# Altium PCB Archimajor.PcbDoc (part 1 of 12) (continued)
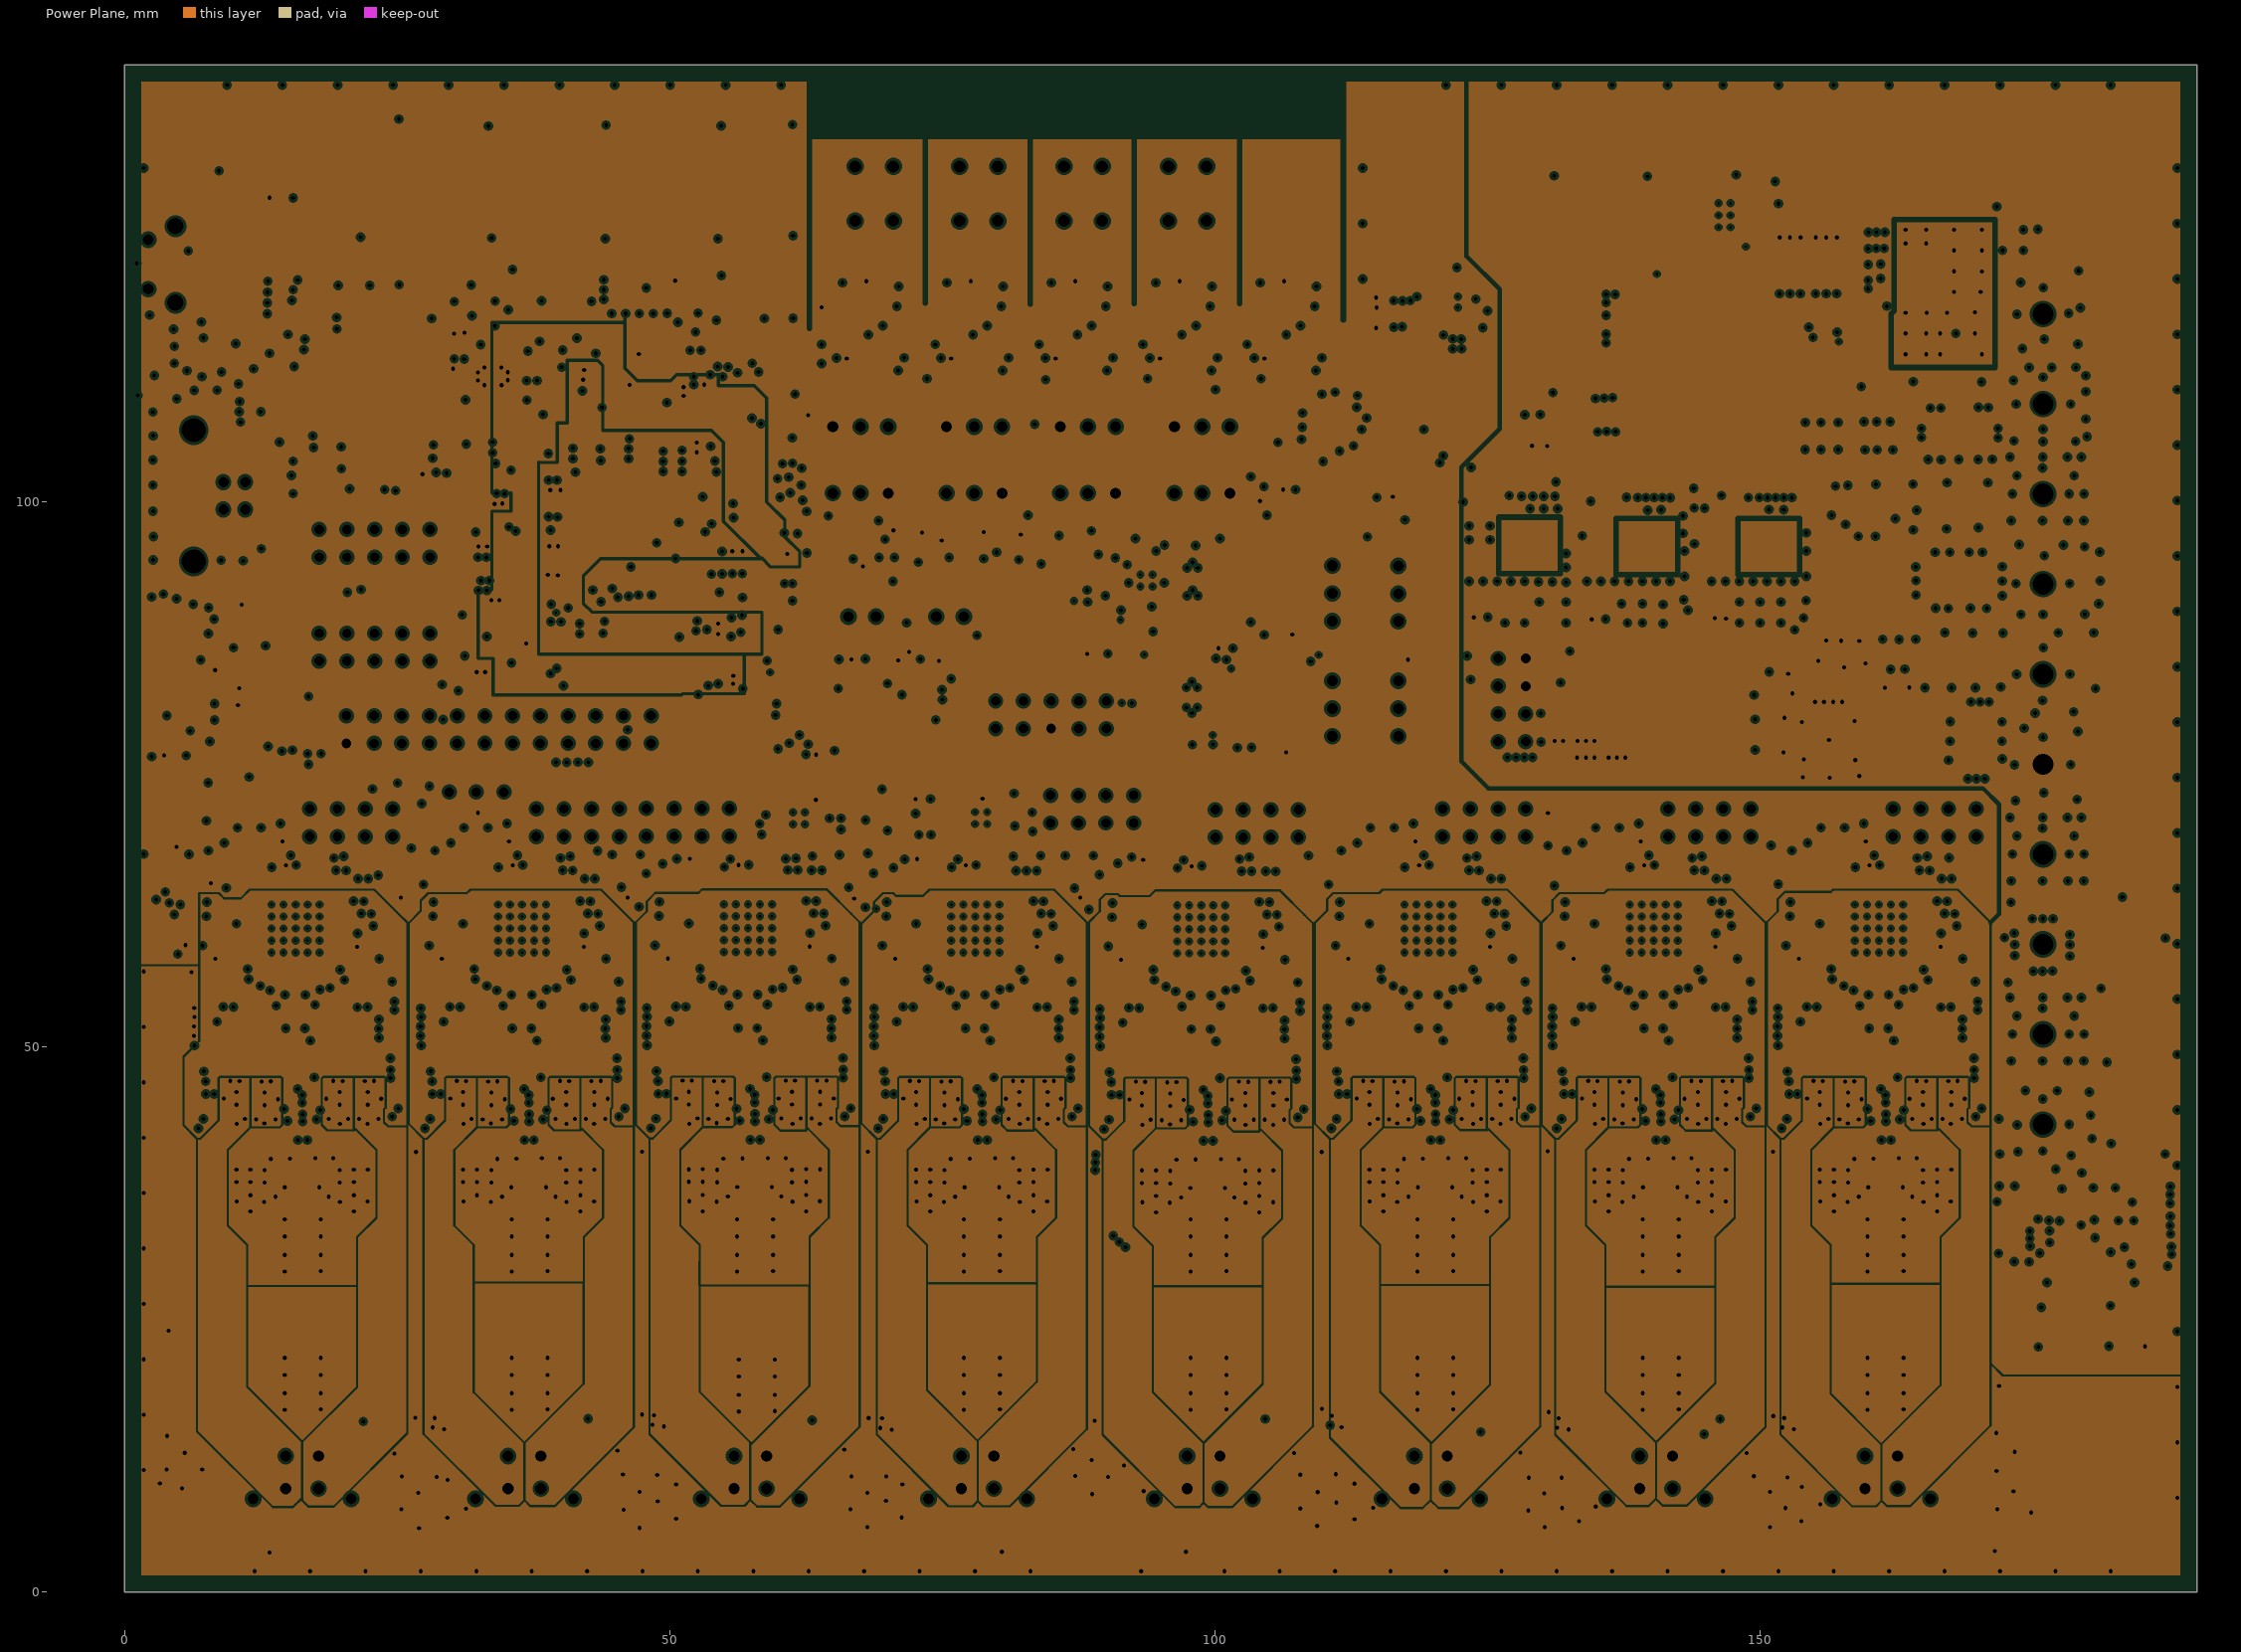
[diagram p3: Power Plane, clearances drawn from the general rule]
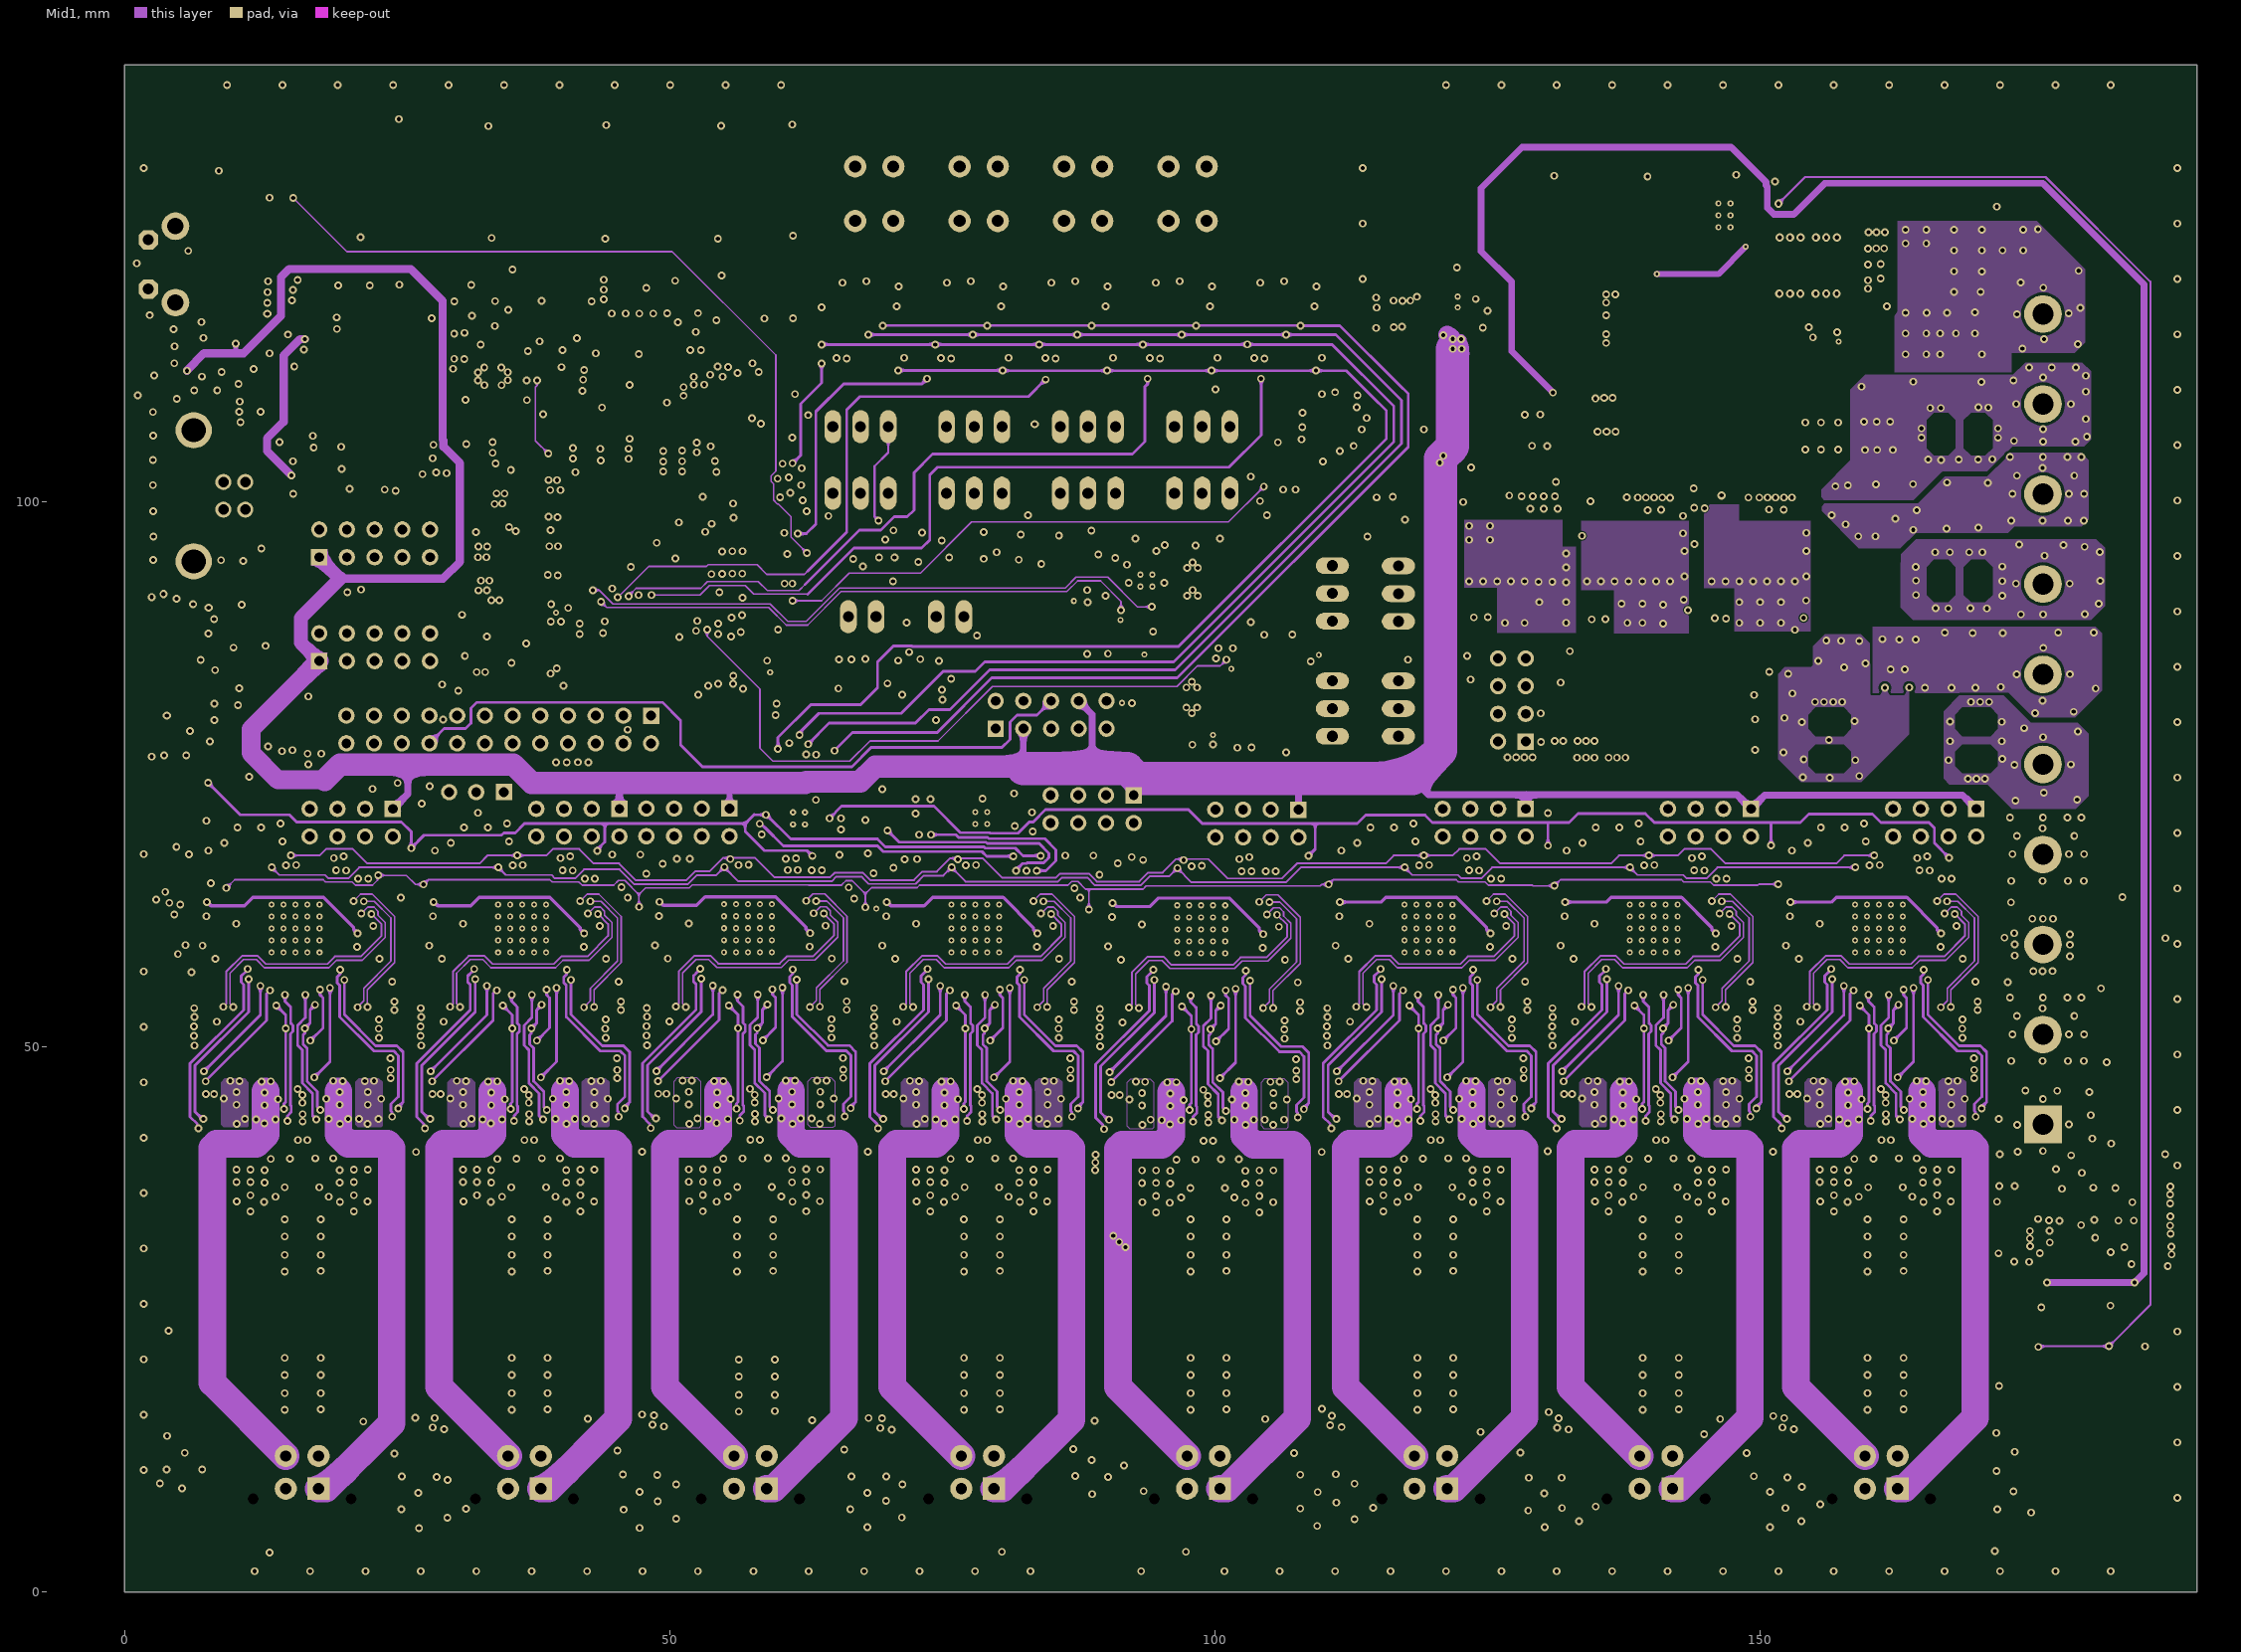
[diagram p4: Mid1]
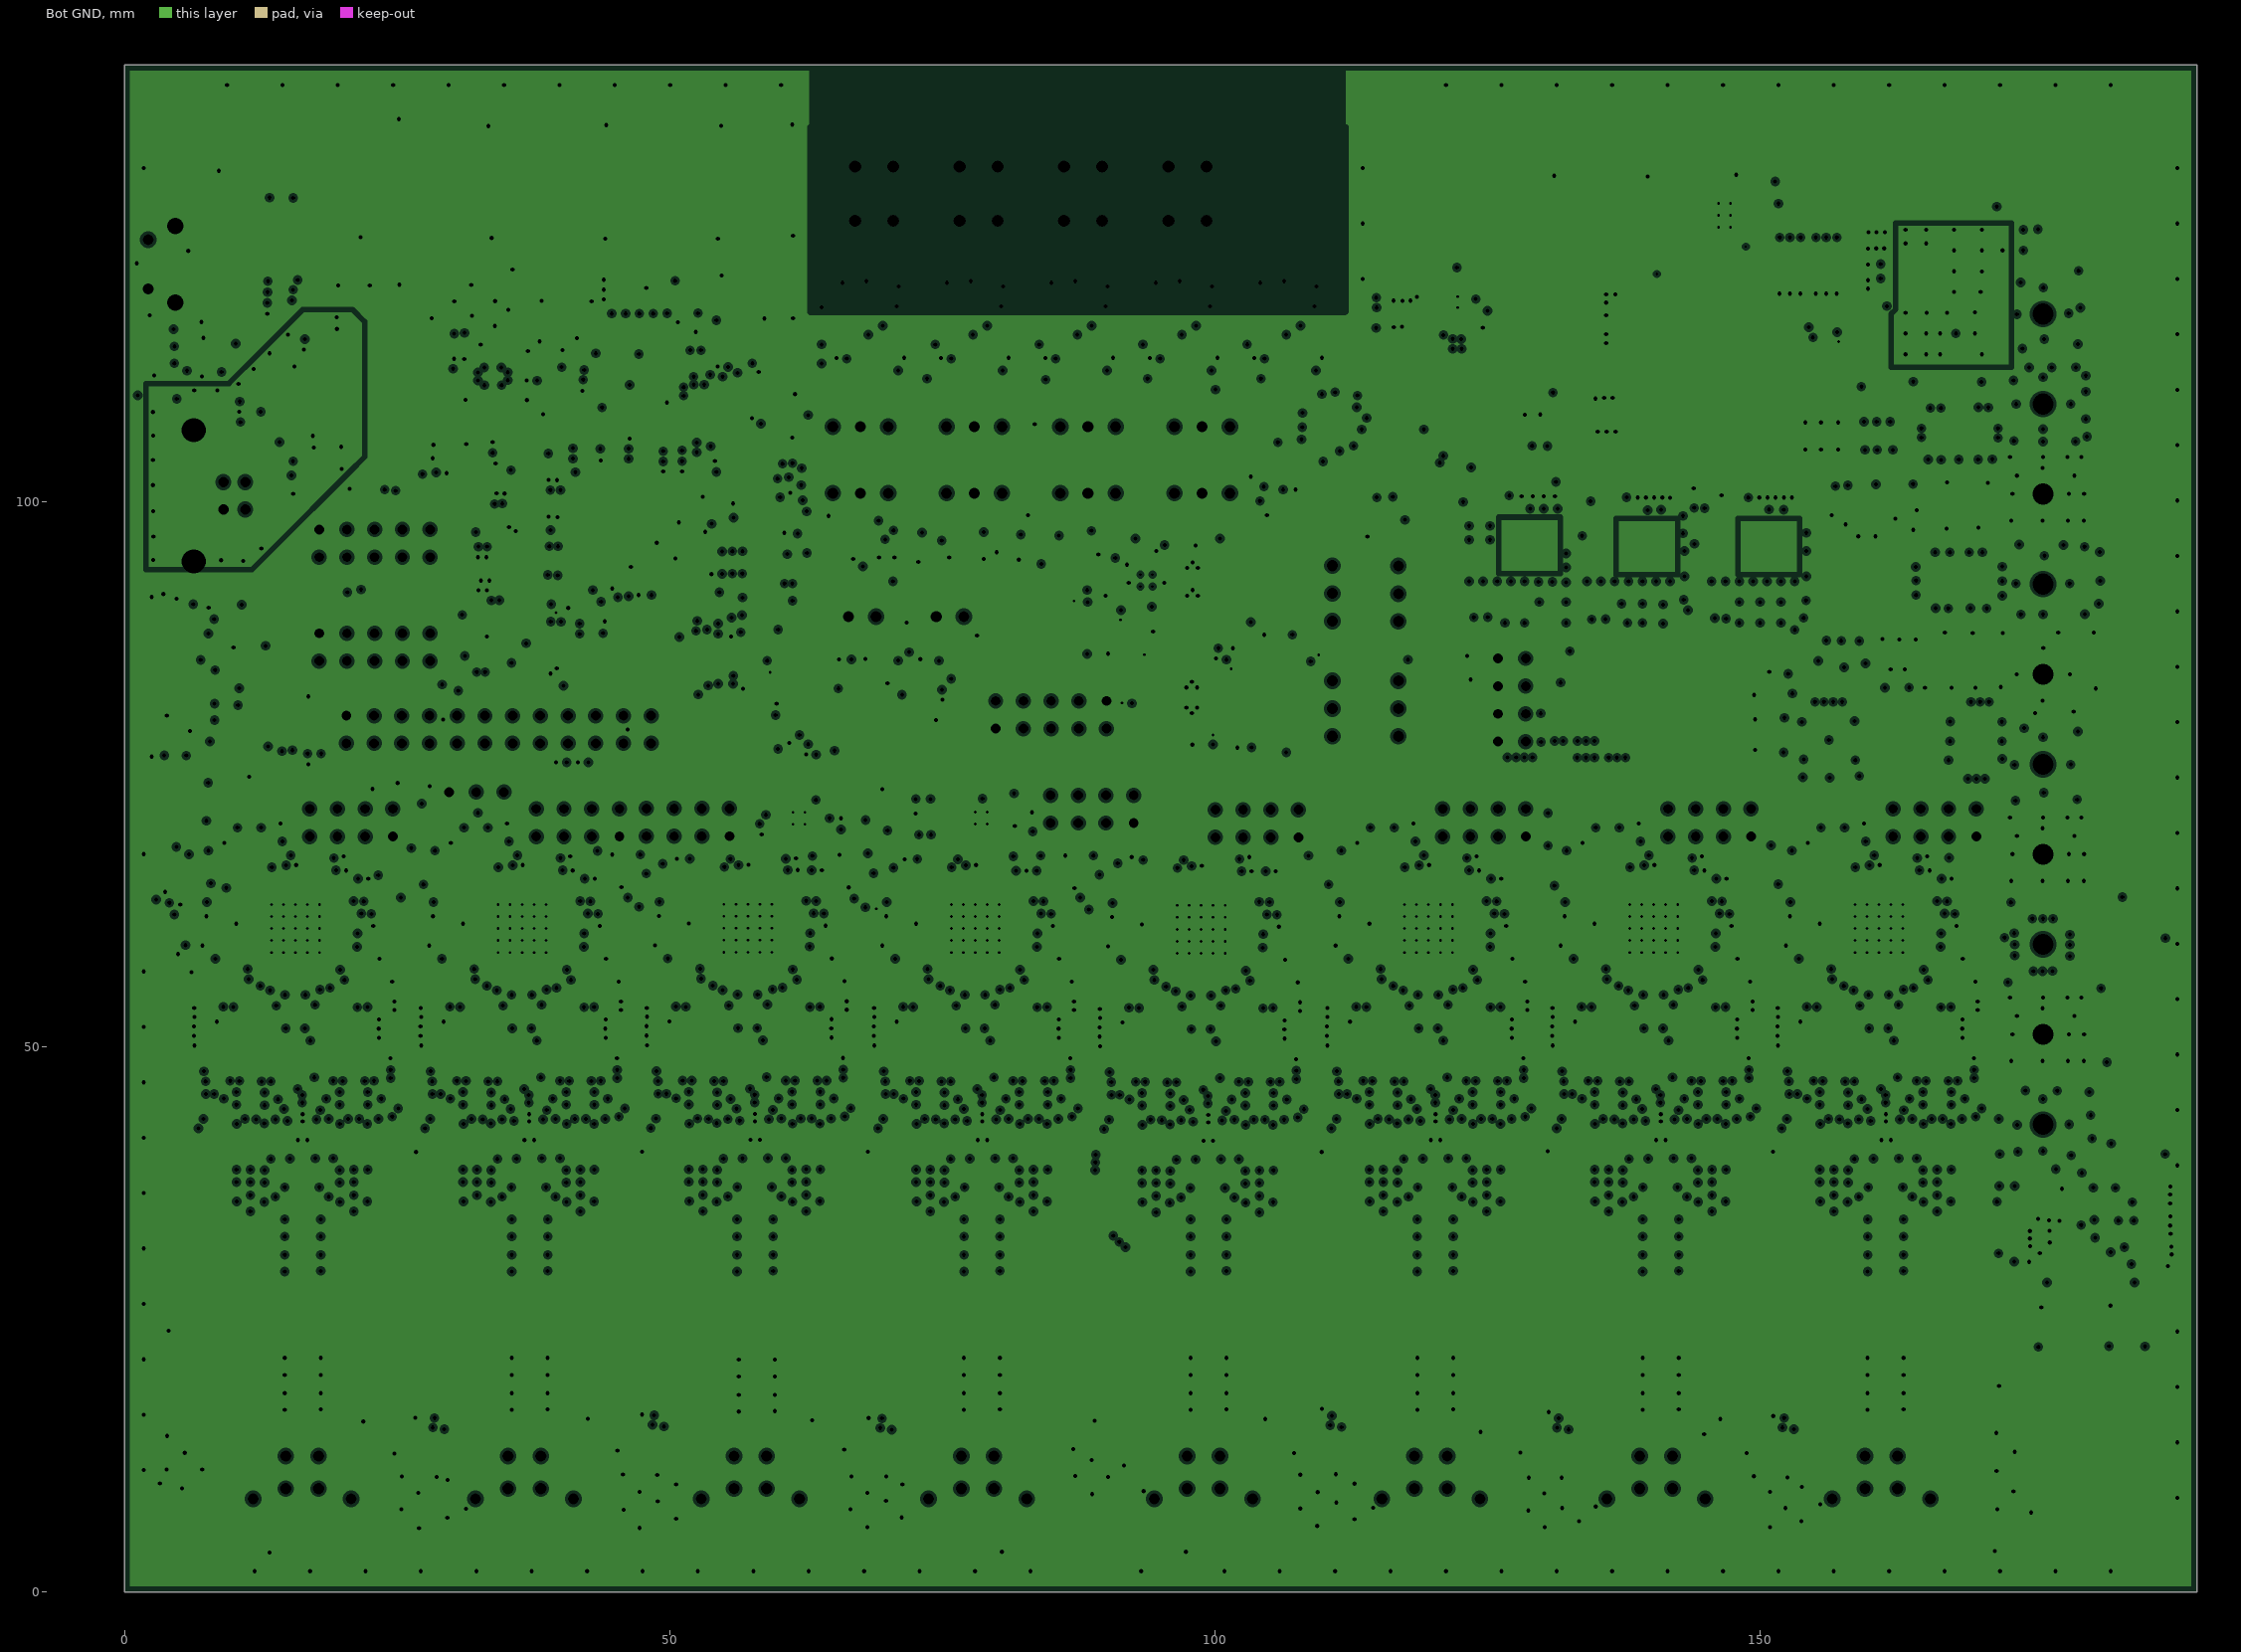
[diagram p5: Bot GND, clearances drawn from the general rule]

## Layer stack, top to bottom
Top Solder: solder mask 0.0102, Solder Resist, Dk 4
Top Layer: signal copper 0.0779
Dielectric1: prepreg 0.12, FR-4 TG170, Dk 4.2
Top GND: plane copper 0.035, net (Multiple Nets)
Dielectric3: core 0.5, FR-4 TG170, Dk 4.2
Power Plane: plane copper 0.035, net (Multiple Nets)
Dielectric 5: prepreg 0.24, FR-4 TG170, Dk 4.2
Mid1: signal copper 0.035
Dielectric 4: core 0.5, FR-4 TG170, Dk 4.2
Bot GND: plane copper 0.035, net (Multiple Nets)
Dielectric2: prepreg 0.12, FR-4 TG170, Dk 4.2
Bottom Layer: signal copper 0.0779
Bottom Solder: solder mask 0.0102, Solder Resist, Dk 4

## Board outline
0,0 0,140 190,140 190,0

## Design rules (kind name [scope] priority, off if disabled: settings)
AcuteAngle [All] p1 off: minimum=6.00000000000000E+0001 checktracksonly=FALSE
AssemblyTestPointUsage [All] p1: valid=2
AssemblyTestpoint [All] p1: testpointundercomponent=FALSE minsize=1.016 maxsize=2.54 preferedsize=1.524 minholesize=0 maxholesize=1.016 preferedholesize=0.813 testpointgrid=0.025 usegrid=FALSE gridtolerance=0 allowsidetop=TRUE allowsidebottom=TRUE minspacing=2.54 compbodyclearance=3.556
BoardOutlineClearance [All] p1: gap=0.508 ignorepadtopadclearanceinfootprint=FALSE
Clearance "Internal Positive Layer" [OnLayer('Mid1')] p1: gap=0.254 ignorepadtopadclearanceinfootprint=FALSE except(0.178: Arc-Arc Arc-Track Arc-SMDPad Arc-THPad Arc-Via Track-Track Track-SMDPad Track-THPad Track-Via SMDPad-SMDPad SMDPad-THPad SMDPad-Via THPad-THPad THPad-Via Via-Via)
Clearance Polygon [InPolygon] p2: gap=0.203 ignorepadtopadclearanceinfootprint=FALSE except(0.254: Fill-Fill Fill-Poly Fill-Region Poly-Poly Poly-Region Region-Region)
Clearance Clearance_PWR_INPUT_POLYGONS [InPolygon and InNetClass('PWR_INPUT')] p3 off: gap=0.254 ignorepadtopadclearanceinfootprint=FALSE except(0: Arc-Hole Track-Hole SMDPad-Hole THPad-Hole Via-Hole Fill-Hole Poly-Hole Region-Hole Text-Hole)
Clearance [All] p4: gap=0.203 ignorepadtopadclearanceinfootprint=FALSE
ComponentClearance GlobalComponentClearance [All] p1: gap=0.254 collisioncheckmode=3 verticalgap=0.254 showdistances=FALSE
DiffPairsRouting [All] p1: maxlimit=0.254 minlimit=0.178 mostfreqgap=0.254 toplayer_prefgap=0.203 toplayer_minwidth=0.178 toplayer_maxwidth=0.381 toplayer_prefwidth=0.203 midlayer1_mingap=0.254 midlayer1_minwidth=0.381 midlayer1_maxwidth=0.381 midlayer1_prefwidth=0.381 bottomlayer_prefgap=0.203 bottomlayer_minwidth=0.178 bottomlayer_maxwidth=0.381 bottomlayer_prefwidth=0.203 maxuncoupledlength=5.08
FabricationTestPointUsage [All] p1: valid=2 allowmultiple=FALSE
FabricationTestpoint [All] p1: side=3 testpointundercomponent=TRUE minsize=1.016 maxsize=2.54 preferedsize=1.524 minholesize=0 maxholesize=1.016 preferedholesize=0.813 testpointgrid=0.025 allowsidetop=TRUE allowsidebottom=TRUE usegrid=FALSE gridtolerance=0
FanoutControl Fanout_SOIC [(InComponent('U8') AND InComponent('U7'))] p3: bgadir=Out bgaviamode=Centered fanoutstyle=Staggered fanoutdirection=Alternating viagrid=0.025 // Fanout_SOIC (Default Rule)
FanoutControl Fanout_Small [All] p4: bgadir=Out bgaviamode=Centered fanoutstyle=Auto fanoutdirection=Alternating viagrid=0.025 // Fanout_Small (Default Rule)
HoleSize [All] p1: absolutevalues=TRUE maxlimit=5.08 minlimit=0.254 maxpercent=80.000 minpercent=20.000
MinimumAnnularRing [All] p1: minimumring=0.152
MinimumSolderMaskSliver [All] p1 off: minsoldermaskwidth=0.102
PasteMaskExpansion [All] p1: expansion=-0.025
PlaneClearance [All] p1: clearance=0.254
PlaneConnect "Do Not Connect" [InComponent('J3')] p1: planeconnectstyle=NoConnect reliefexpansion=0.508 reliefentries=4 reliefconductorwidth=0.254 reliefairgap=0.254
PlaneConnect PlaneConnect_Via [IsVia] p2: planeconnectstyle=Direct reliefexpansion=0.889 reliefentries=4 reliefconductorwidth=1.27 reliefairgap=0.254
PlaneConnect [All] p3: planeconnectstyle=Relief reliefexpansion=0.305 reliefentries=4 reliefconductorwidth=0.356 reliefairgap=0.254
PolygonConnect Vias [IsVia] p1: connectstyle=Direct reliefconductorwidth=0.254 reliefentries=4 polygonreliefangle="90 Angle" airgapwidth=0.254
PolygonConnect "Internal No Connect" [InComponent('F1') or InComponent('F2') or InComponent('F3') or InComponent('J3') vs OnLayer('Mid1')] p2: connectstyle=NoConnect reliefconductorwidth=0.254 reliefentries=4 polygonreliefangle="90 Angle" airgapwidth=0.254
PolygonConnect "24mil Connect" [IsNamedPolygon('24milConnect')] p3: thpad.connectstyle=Relief thpad.reliefconductorwidth=0.61 thpad.reliefentries=4 thpad.polygonreliefangle="90 Angle" thpad.airgapwidth=0.254 smdpad.connectstyle=Relief smdpad.reliefconductorwidth=0.305 smdpad.reliefentries=4 smdpad.polygonreliefangle="90 Angle" smdpad.airgapwidth=0.254 via.connectstyle=Relief via.reliefconductorwidth=0.305 via.reliefentries=4 via.polygonreliefangle="90 Angle" via.airgapwidth=0.254
PolygonConnect "12mil Connect" [IsNamedPolygon('Connect')] p4: thpad.connectstyle=Relief thpad.reliefconductorwidth=0.61 thpad.reliefentries=4 thpad.polygonreliefangle="90 Angle" thpad.airgapwidth=0.254 smdpad.connectstyle=Relief smdpad.reliefconductorwidth=0.305 smdpad.reliefentries=4 smdpad.polygonreliefangle="90 Angle" smdpad.airgapwidth=0.254 via.connectstyle=Relief via.reliefconductorwidth=0.305 via.reliefentries=4 via.polygonreliefangle="90 Angle" via.airgapwidth=0.254
PolygonConnect "Top 12mil" [InComponent('F1') or InComponent('F2') or InComponent('F3') or InComponent('J3') vs OnLayer('Top Layer')] p5: connectstyle=Relief reliefconductorwidth=0.305 reliefentries=4 polygonreliefangle="90 Angle" airgapwidth=0.254
PolygonConnect "Bottom 50mil" [InComponent('J3') vs OnLayer('Bottom Layer')] p6: connectstyle=Relief reliefconductorwidth=1.27 reliefentries=4 polygonreliefangle="90 Angle" airgapwidth=0.254
PolygonConnect "Bottom Fuses" [InComponent('F3') or InComponent('F2') or InComponent('F3') vs OnLayer('Bottom Layer')] p7: connectstyle=Direct reliefconductorwidth=1.27 reliefentries=4 polygonreliefangle="90 Angle" airgapwidth=0.254
PolygonConnect "Direct Connect" [IsNamedPolygon('Solid') Or IsNamedPolygon('Direct Connect') Or IsNamedPolygon('DirectConnect')] p8: connectstyle=Direct reliefconductorwidth=0.254 reliefentries=4 polygonreliefangle="90 Angle" airgapwidth=0.254
PolygonConnect [All] p9: connectstyle=Relief reliefconductorwidth=0.254 reliefentries=4 polygonreliefangle="90 Angle" airgapwidth=0.254
RoomDefinition TA [InComponentClass('TA')] p1: confinementstyle=ConfineIn formatcopy=FALSE lockcomponents=FALSE outline 63.881,111.088 73.457,111.088 73.457,134.379 63.881,134.379
RoomDefinition MD [InComponentClass('MD')] p2: confinementstyle=ConfineIn formatcopy=TRUE lockcomponents=FALSE outline 67.036,71.96 67.036,67.169 66.77,67.169 66.77,67.139 64.75,67.139 64.75,62.731 67.602,59.281 67.602,59.141 67.602,-1.09 88.375,-1.079 88.375,58.961 85.578,62.345 85.578,67.338 87.814,67.338 87.814,73.285 67.927,73.285
RoomDefinition TE [InComponentClass('TE')] p3: confinementstyle=ConfineIn formatcopy=TRUE lockcomponents=FALSE outline 102.184,111.088 111.76,111.088 111.76,134.379 102.184,134.379
RoomDefinition TD [InComponentClass('TD')] p4: confinementstyle=ConfineIn formatcopy=TRUE lockcomponents=FALSE outline 92.608,111.088 102.184,111.088 102.184,134.379 92.608,134.379
RoomDefinition TC [InComponentClass('TC')] p5: confinementstyle=ConfineIn formatcopy=TRUE lockcomponents=FALSE outline 83.032,111.088 92.608,111.088 92.608,134.379 83.032,134.379
RoomDefinition TB [InComponentClass('TB')] p6: confinementstyle=ConfineIn formatcopy=TRUE lockcomponents=FALSE outline 73.457,111.088 83.032,111.088 83.032,134.379 73.457,134.379
RoomDefinition MA [InComponentClass('MA')] p7: confinementstyle=ConfineIn formatcopy=FALSE lockcomponents=FALSE outline 7.447,-1.09 24.44,-1.09 26.05,0.926 26.05,73.285 7.447,73.285 5.275,70.051 5.275,2.562
RoomDefinition MH [InComponentClass('MH')] p8: confinementstyle=ConfineIn formatcopy=TRUE lockcomponents=FALSE outline 152.622,-1.09 169.616,-1.09 171.225,0.926 171.225,73.285 152.622,73.285 150.45,70.051 150.45,2.562
RoomDefinition MG [InComponentClass('MG')] p9: confinementstyle=ConfineIn formatcopy=TRUE lockcomponents=FALSE outline 131.972,-1.09 148.965,-1.09 150.575,0.926 150.575,73.285 131.972,73.285 129.8,70.051 129.8,2.562
RoomDefinition MF [InComponentClass('MF')] p10: confinementstyle=ConfineIn formatcopy=TRUE lockcomponents=FALSE outline 111.322,-1.09 128.315,-1.09 129.925,0.926 129.925,73.285 111.322,73.285 109.15,70.051 109.15,2.562
RoomDefinition ME [InComponentClass('ME')] p11: confinementstyle=ConfineIn formatcopy=TRUE lockcomponents=FALSE outline 87.478,67.069 85.627,67.069 85.627,62.462 88.309,59.22 88.309,59.08 88.309,-1.09 109.083,-1.079 109.083,58.9 106.286,62.28 106.286,67.269 108.522,67.269 108.522,73.209 88.635,73.209 87.744,71.886 87.744,67.1 87.478,67.1
RoomDefinition MC [InComponentClass('MC')] p12: confinementstyle=ConfineIn formatcopy=TRUE lockcomponents=FALSE outline 46.194,71.984 46.194,67.192 45.928,67.192 45.928,67.161 43.908,67.161 43.908,62.751 46.76,59.301 46.76,59.161 46.76,-1.09 67.533,-1.079 67.533,58.981 64.736,62.366 64.736,67.361 66.972,67.361 66.972,73.309 47.085,73.309
RoomDefinition MB [InComponentClass('MB')] p13: confinementstyle=ConfineIn formatcopy=FALSE lockcomponents=FALSE outline 28.222,-1.09 45.215,-1.09 46.825,0.926 46.825,73.285 28.222,73.285 26.05,70.051 26.05,2.562
RoutingVias RoutingVias_<15mil [HoleSize < '15'] p1: holewidth=0.381 width=0.762 viastyle="Through Hole" minholewidth=0.254 minwidth=0.559 maxholewidth=0.381 maxwidth=0.762
RoutingVias [All] p2: holewidth=0.381 width=0.711 viastyle="Through Hole" minholewidth=0.254 minwidth=0.711 maxholewidth=1.27 maxwidth=1.778
SMDToCorner [All] p1 off: distance=30000
SilkToSilkClearance [All] p1 off: silktosilkclearance=0.254
SilkToSolderMaskClearance SilkscreenOverComponentPads [IsPad] p1 off: minsilkscreentomaskgap=0.254 clearancetoexposedcopper=TRUE
SolderMaskExpansion "Via SolderMask" [IsVia] p1: expansion=-0.381 istentingtop=FALSE
SolderMaskExpansion "Global SolderMaskExpansion" [All] p2: expansion=0.051 istentingtop=FALSE
Width Width_USB [InNet(UMCU_N) Or InNet(UMCU_P) Or InNet('NetD27_1') Or InNet('NetD27_3') Or InNet('NetD27_4') Or InNet('NetD27_6') Or InNet('NetL5_4') Or InNet('NetL5_1')  Or InNet('UD_P') Or InNet('UD_N') Or InNet('NetR42_1') Or InNet('UMCU_N') OR InNet('UMCU_P') Or InNet('NetR48_1')] p1: maxlimit=0.203 minlimit=0.152 preferedwidth=0.203 toplayer_maxwidth=0.152 toplayer_prefwidth=0.152 midlayer1_minwidth=0.203 bottomlayer_maxwidth=0.152 bottomlayer_prefwidth=0.152 minimp=50.000000 maximp=50.000000 favimp=50.000000
Width [All] p2: maxlimit=9.652 minlimit=0.152 preferedwidth=0.203 toplayer_maxwidth=5.08 midlayer1_maxwidth=5.08 minimp=50.000000 maximp=50.000000 favimp=50.000000
15 further rules are at their usual default settings.
